# Altium PCB PCB1.PcbDoc (part 4 of 5) (continued)
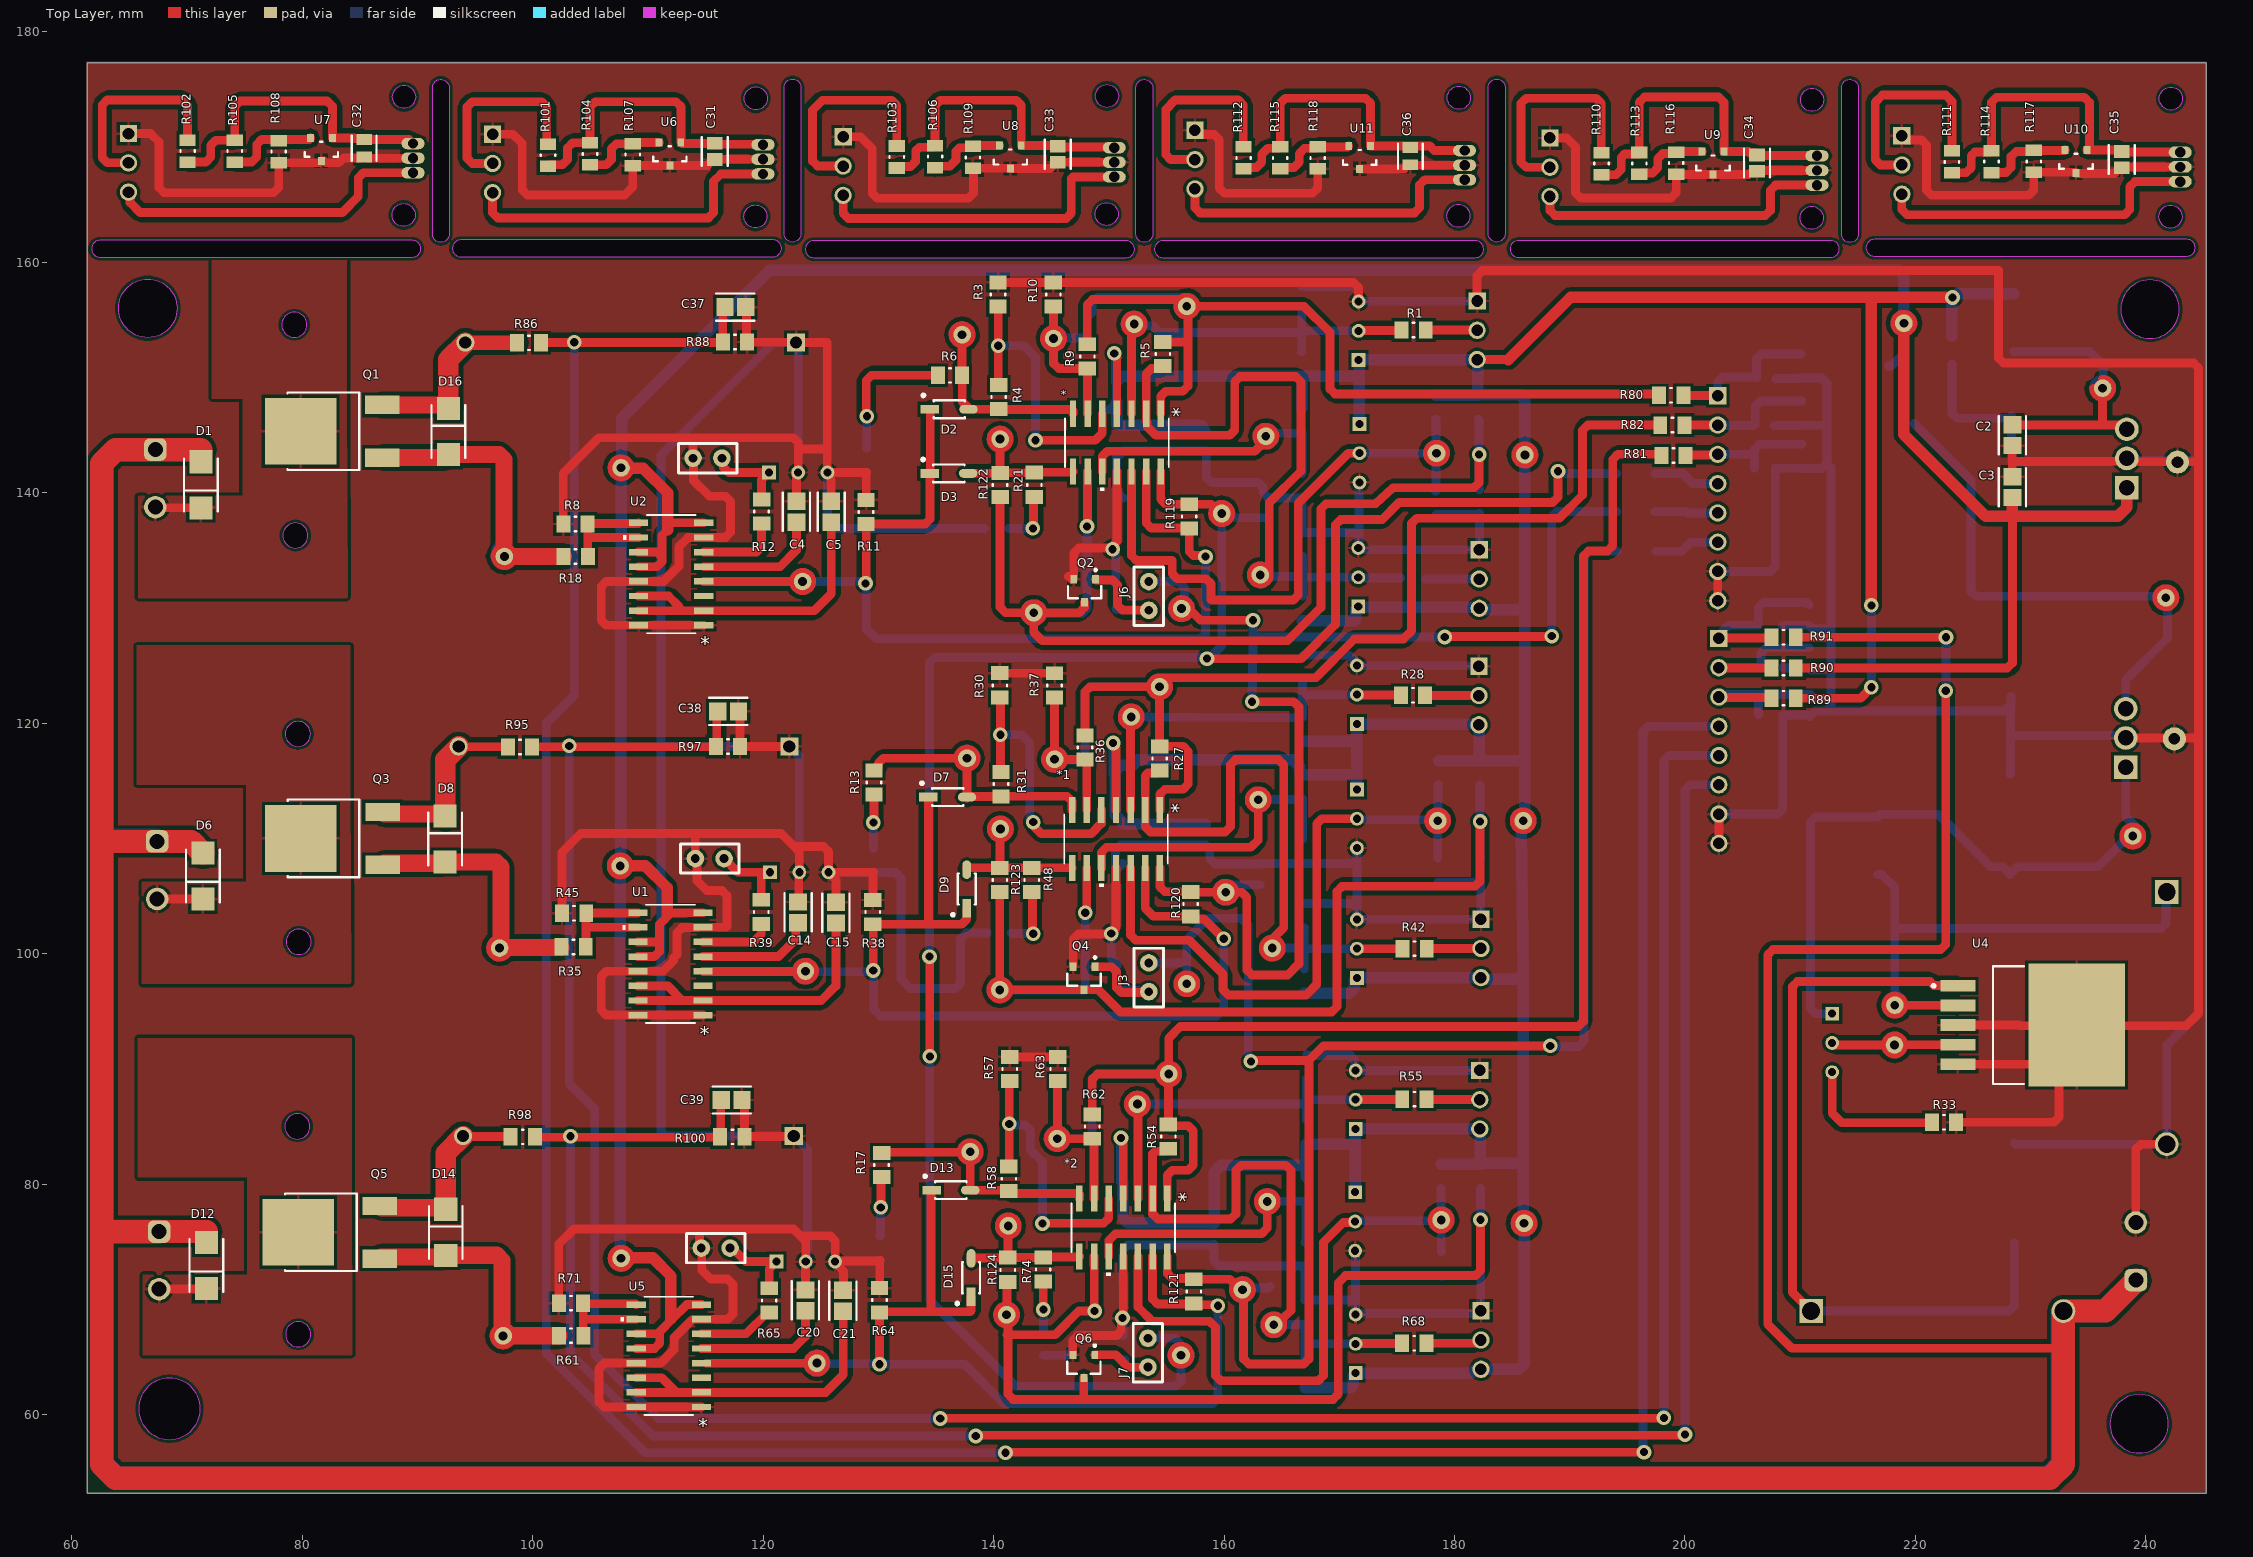
[diagram p0: Top Layer view]
## Nets (pads, with @x,y where several pads share a name; then routed paths per layer and width w, separated by ;. In a path a pad name is that pad's centre, name@x,y a point inside that pad or via, vN(x,y) a via of type N, cw(c..) or ccw(c..) an arc to the next point about the centre after c; other vN are vias at no path point) (continued)
  Bottom Layer w0.762: C13.1@147.93,120.75 147.93,122.718 148.376,123.165 153.622,123.165
Net*1_2: *1.2 R27.1 R42.2 R43.1 R47.1 RP7.2 TP27.1 | length 54.5
  Top Layer w0.762: R27.1@154.407,115.891 154.184,115.669 153.386,115.669 153.162,115.444 *1.2@153.162,112.47 153.162,111.013 153.608,110.566 160.107,110.566 160.553,111.013 160.553,116.394 161,116.84 164.73,116.84 165.176,116.394 165.176,102.259 164.186,101.268 v2(164.186,100.482) ; RP7.2@171.526,100.432 R42.2@175.489,100.432
  Bottom Layer w0.762: 164.971,100.482 166.941,100.482 166.967,100.457 ; R43.1@166.954,98.663 166.967,98.676 166.967,100.457 ; R47.1@166.98,102.251 166.967,102.238 166.967,100.457 ; RP7.2@171.526,100.432 166.992,100.432 166.967,100.457
Net*1_3: *1.3 R28.2 R29.1 R34.2 RP6.2 TP23.1 | length 37.4
  Top Layer w0.254: TP23.1@152.324,120.548 TP23.1@152.375,120.599
  Top Layer w0.762: *1.3@151.892,112.47 TP23.1@151.892,120.548 ; RP6.2@171.526,122.479 171.552,122.453 175.327,122.453 R28.2@175.352,122.428
  Bottom Layer w0.762: TP23.1@151.207,120.548 v2(151.943,120.548) 152.137,120.548 152.149,120.548 152.2,120.599 152.296,120.599 152.479,120.599 TP23.1@152.655,120.599 ; 151.943,121.333 152.264,121.144 152.629,120.929 ; TP23.1@152.137,120.929 152.382,120.593 152.498,120.433 152.424,120.449 152.655,120.218 ; 152.728,120.548 153.684,120.548 161.854,120.472 166.429,120.472 R29.1@166.802,120.548 166.802,122.157 ; R34.2@166.802,123.765 166.802,122.157 ; RP6.2@171.526,122.479 167.124,122.479 166.802,122.157
Net*1_5: *1.5 R30.1 R31.2 | length 24.4
  Top Layer w0.762: R30.1@140.538,122.241 140.589,122.19 v1(140.589,118.999) 140.589,115.808 R31.2@140.64,115.757 ; v1(143.434,111.415) 143.531,111.318 143.531,111.017 144.134,110.414 148.463,110.414 149.352,111.303 *1.5@149.352,112.47
  Bottom Layer w0.762: v1(140.589,118.999) 142.418,118.999 143.129,118.288 143.129,111.72 v1(143.434,111.415)
Net*1_6: *1.6 C13.2 R36.1 R37.1 TP22.1 | length 16.9
  Top Layer w0.762: 145.136,117.636 145.477,117.54 145.819,117.445 ; R37.1@145.136,122.241 145.217,122.16 145.288,122.088 145.288,117.651 ; 146.046,117.073 146.059,116.982 146.073,116.891 ; 146.073,116.856 147.92,116.856 R36.1@147.93,116.847 148.082,116.694 *1.6@148.082,112.47
  Bottom Layer w0.762: v2(145.288,116.865) 145.339,116.815 146.071,116.815 147.483,116.815 147.93,117.261 C13.2@147.93,118.948 ; 145.288,117.65 145.549,117.551 145.81,117.452
Net*1_7: *1.7 D7.2 R13.2 R31.1 TP50.1 | length 23.4
  Top Layer w0.762: R13.2@129.616,115.91 129.767,115.91 129.989,116.132 129.989,116.521 130.436,116.967 136.908,116.967 ; 136.991,116.616 136.949,116.791 136.908,116.967 ; D7.2@137.693,113.589 D7.2@137.693,113.488 ; 138.479,116.967 v2(137.693,116.967) ; R31.1@140.64,113.64 137.693,113.64 137.693,116.181 v2(137.693,116.967) ; R31.1@140.64,113.656 146.366,113.656 146.812,113.209 *1.7@146.812,112.47 ; 136.908,116.967 v2(137.693,116.967)
Net*1_8: *1.8 D9.2 R48.2 R123.1 TP29.1 | length 13.5
  Top Layer w0.762: D9.2@137.668,107.289 137.668,107.451 R123.1@140.538,107.451 ; v1(140.589,110.82) TP29.1@140.564,110.795 ; 141.375,110.82 140.59,110.796 TP29.1@140.564,110.795 ; *1.8@146.812,107.442 146.807,107.447 143.312,107.447 R48.2@143.307,107.451 R123.1@140.538,107.451 ; R123.1@140.538,107.451 140.564,107.477 140.564,110.035 TP29.1@140.564,110.795
  other v2: 140.589,110.82
Net*1_9: *1.9 Q4.3 R46.2 R49.2 R123.2 TP30.1 | length 90
  Top Layer w0.762: 140.538,97.636 R123.2@140.538,105.35 ; 141.324,96.866 149.079,96.866 151,94.945 169.353,94.945 169.799,95.392 169.799,105.395 170.245,105.842 181.773,105.842 182.22,106.288 v1(182.22,111.468) ; v1(147.955,103.556) 147.93,103.302 148.04,103.511 148.082,103.592 *1.9@148.082,107.442
  Bottom Layer w0.762: v2(140.538,96.85) 141.323,96.85 147.853,96.85 147.955,96.952 v1(147.955,103.556) ; R46.2@182.194,114.637 182.22,114.611 v1(182.22,111.468) 182.22,108.324 R49.2@182.245,108.299
Net*1_10: *1.10 R41.2 R50.2 TP28.1 | length 26.3
  Top Layer w0.762: *1.10@149.352,107.442 149.352,108.781 149.798,109.228 162.325,109.228 162.966,109.87 v2(162.966,113.36)
  Bottom Layer w0.762: v2(162.966,113.36) 162.995,113.389 163.751,113.389 166.799,113.389 R41.2@166.814,113.405 ; R50.2@166.802,109.931 166.814,109.944 R41.2@166.814,113.405 ; R41.2@166.827,113.418 R41.2@166.814,113.405
Net*1_12: *1.12 R51.1 R53.1 RP9.2 TP33.1 | length 58.5
  Top Layer w0.762: *1.12@151.892,107.442 151.892,101.615 152.338,101.168 156.972,101.168 159.918,98.222 159.918,96.865 160.365,96.418 167.132,96.418 168.046,97.333 168.046,111.263 168.493,111.709 RP9.2@171.526,111.709
  Bottom Layer w0.762: RP9.2@171.526,111.709 171.61,111.625 177.757,111.625 177.818,111.364 177.88,111.102 ; 178.382,112.301 178.459,112.309 178.537,112.316 ; R53.1@178.537,108.29 178.537,110.746 178.544,111.531 178.552,112.316 R51.1@178.575,114.599 ; 178.575,112.315 R51.1@178.575,114.599 ; R51.1@178.613,114.637 R51.1@178.575,114.599
  other v2: 178.537,111.531
Net*1_13: *1.13 D7.1 D9.1 R38.1 R120.2 TP24.1 U1.4 | length 91.6
  Top Layer w0.762: U1.4@114.789,98.476 114.814,98.45 122.606,98.45 122.631,98.425 ; v1(129.553,98.539) 129.553,102.518 R38.1@129.515,102.556 137.222,102.556 137.668,103.002 D9.1@137.668,103.938 ; 134.341,102.556 D7.1@134.341,113.589 ; *1.13@153.162,107.442 153.162,103.937 153.857,103.242 R120.2@157.25,103.242 ; R120.2@157.099,103.242 157.321,103.019 158.245,103.019 v1(159.969,101.295)
  Bottom Layer w0.762: 122.889,98.425 123.787,98.425 124.456,98.425 124.458,98.425 129.515,98.425 v1@129.591,98.501 ; 123.118,99.031 TP24.1@123.787,98.728 ; v1(129.553,98.539) v1@129.591,98.501 ; v1(159.969,101.295) 159.969,95.188 159.373,94.592 130.187,94.592 129.591,95.188 v1@129.591,98.501
Net*1_14: *1.14 C17.2 D20.1 J6.1 R120.1 TP16.1 TP32.1 | length 109.5
  Top Layer w0.762: J6.1@153.384,132.377 J6.1@153.467,132.294 ; *1.14@154.432,107.442 154.432,105.81 154.878,105.364 157.078,105.364 R120.1@157.099,105.343 157.104,105.339 159.361,105.339 ; v2(156.312,129.946) 156.457,129.801 157.083,129.801 157.954,128.93 v1(162.509,128.93) ; v2(160.147,105.334) 160.528,105.334 160.933,105.334 161.529,105.334 161.976,104.887 161.976,98.592 162.422,98.146 165.532,98.146 166.497,99.111 166.497,121.423 166.051,121.869 v1(162.433,121.869) ; v1(179.146,127.483) 179.184,127.521 188.404,127.521 v1(188.443,127.559)
  Bottom Layer w0.762: J6.1@153.467,132.294 156.043,132.294 156.489,131.848 156.489,131.775 156.555,131.71 156.555,131.079 156.457,130.981 156.457,130.718 ; 160.795,105.776 161.002,105.982 C17.2@163.119,105.982 ; v1(162.433,121.869) 162.509,126.928 162.509,127.483 ; v1(162.509,128.93) 162.509,127.483 ; v1(179.146,127.483) 162.509,127.483 ; v1(188.443,127.559) 188.443,137.933 188.889,138.379 D20.1@194.058,138.379
Net*2_1: *2.1 C19.1 R54.2 R62.2 R81.2 TP36.1 | length 125.7
  Top Layer w0.762: R62.2@148.565,86.039 148.565,89.114 149.011,89.56 154.408,89.56 ; *2.1@155.067,78.74 155.067,80.757 155.513,81.204 156.881,81.204 157.328,81.65 157.328,84.618 156.881,85.065 155.28,85.065 R54.2@155.169,85.176 155.181,85.188 155.181,88.775 ; v2(155.194,89.56) 155.194,90.346 155.194,92.659 156.21,93.675 190.739,93.675 191.186,94.122 191.186,134.504 191.632,134.95 193.279,134.95 193.726,135.397 193.726,142.886 194.172,143.332 197.857,143.332 R81.2@197.958,143.231
  Bottom Layer w0.762: C19.1@148.539,87.908 148.539,89.114 148.986,89.56 154.409,89.56 v2(155.194,89.56)
Net*2_2: *2.2 R54.1 R68.2 R69.1 R73.1 RP11.2 TP42.1 | length 52.4
  Top Layer w0.762: R54.1@155.169,83.074 154.946,82.852 154.021,82.852 153.797,82.628 *2.2@153.797,78.74 153.797,77.416 154.243,76.97 160.59,76.97 161.036,77.416 161.036,81.189 161.482,81.636 165.363,81.636 165.809,81.189 165.809,69.039 165.119,68.348 TP42.1@164.563,68.348 ; RP11.2@171.425,66.142 171.45,66.167 175.428,66.167 R68.2@175.454,66.192
  Bottom Layer w0.762: TP42.1@164.008,67.793 164.028,67.813 164.792,67.813 167.01,67.813 R73.1@167.03,67.834 167.03,66.167 167.538,66.167 167.564,66.142 ; R69.1@167.03,64.449 167.03,66.142 167.564,66.142 ; RP11.2@171.425,66.142 167.564,66.142
  other v2: 164.313,67.793
Net*2_3: *2.3 R55.2 R56.1 R60.2 RP10.2 TP38.1 | length 34.9
  Top Layer w0.762: 152.476,86.159 v2(152.476,86.944) ; *2.3@152.527,78.74 152.527,86.108 ; RP10.2@171.425,87.325 171.45,87.351 175.438,87.351 R55.2@175.463,87.376
  Bottom Layer w0.762: v2(152.476,86.944) 153.261,86.944 166.811,86.944 167.157,87.29 ; R56.1@167.132,85.566 167.157,85.591 167.157,87.29 ; R60.2@167.183,89.154 167.157,89.129 167.157,87.36 167.192,87.325 ; RP10.2@171.425,87.325 167.192,87.325 ; 167.157,87.29 167.192,87.325
Net*2_5: *2.5 R57.1 R58.2 | length 25.7
  Top Layer w0.762: R58.2@141.326,81.518 141.364,81.556 v1(141.364,85.23) 141.364,88.903 R57.1@141.402,88.941 ; v1(144.247,76.581) 144.262,76.597 149.541,76.597 149.987,77.043 *2.5@149.987,78.74
  Bottom Layer w0.762: v1(141.364,85.23) 141.461,85.133 142.733,85.133 143.18,84.686 143.18,82.982 144.247,81.915 v1(144.247,76.581)
Net*2_6: *2.6 C19.2 R62.1 R63.1 TP37.1 | length 16.8
  Top Layer w0.762: 145.542,84.732 145.542,88.916 R63.1@145.567,88.941 ; 146.302,83.942 148.56,83.942 R62.1@148.565,83.938 148.717,83.785 *2.6@148.717,78.74
  Bottom Layer w0.762: v2(145.517,83.947) 145.662,83.801 146.288,83.801 146.434,83.947 148.093,83.947 148.539,84.393 C19.2@148.539,86.106
Net*2_7: *2.7 D13.2 R17.2 R58.1 TP51.1 | length 20.3
  Top Layer w0.762: R17.2@130.277,82.712 130.323,82.758 137.189,82.758 137.927,82.758 v2(137.973,82.804) ; 137.973,82.018 D13.2@137.973,79.477 141.265,79.477 R58.1@141.326,79.416 141.548,79.194 147.345,79.194 147.447,79.092 *2.7@147.447,78.74
Net*2_8: *2.8 D15.2 R74.2 R124.1 TP44.1 | length 12.2
  Top Layer w0.762: D15.2@138.049,73.558 138.049,73.588 141.193,73.588 R124.1@141.224,73.619 R124.1@141.237,73.631 ; v2(141.275,76.378) 141.249,76.352 141.249,75.593 141.249,73.644 R124.1@141.237,73.631 ; *2.8@147.447,73.712 147.413,73.678 144.332,73.678 R74.2@144.297,73.644 144.285,73.631 R124.1@141.237,73.631
Net*2_9: *2.9 Q6.3 R72.2 R75.2 R124.2 TP45.1 | length 86.2
  Top Layer w0.762: v2(141.122,68.656) TP45.1@141.247,68.531 ; 141.173,66.929 145.339,66.929 147.396,68.986 v1(148.768,68.986) ; 141.173,69.44 141.173,71.466 R124.2@141.224,71.517 ; 141.247,67.871 141.247,61.762 141.693,61.316 147.853,61.316 ; 141.247,67.871 141.247,67.881 TP45.1@141.247,68.531 ; 141.678,68.101 TP45.1@141.247,68.531 ; Q6.3@147.828,63.186 147.828,61.341 147.853,61.316 ; *2.9@148.717,73.712 148.717,72.984 148.742,72.958 v1@148.742,69.012 ; v1(182.258,76.911) 182.258,72.506 181.811,72.06 170.536,72.06 169.901,71.425 169.901,61.762 169.454,61.316 147.853,61.316
  Bottom Layer w0.762: v1@148.671,68.889 v1(148.768,68.986) ; R72.2@182.245,79.645 182.258,79.632 v1(182.258,76.911) 182.258,74.19 R75.2@182.27,74.177
Net*2_10: *2.10 R67.2 R76.2 TP43.1 | length 24.9
  Top Layer w0.762: *2.10@149.987,73.712 149.987,75.108 150.579,75.7 163.257,75.7 163.754,76.197 163.754,77.7 v2(163.754,78.486)
  Bottom Layer w0.762: v2(163.754,78.486) 163.774,78.507 164.538,78.507 R67.2@167.111,78.507 ; R76.2@167.03,74.965 167.081,75.016 167.081,78.477 R67.2@167.111,78.507 ; R67.2@167.132,78.527 R67.2@167.111,78.507
Net*2_12: *2.12 R77.1 R79.1 RP13.2 TP48.1 | length 52.3
  Top Layer w0.762: *2.12@152.527,73.712 152.527,69.342 153.772,68.097 158.725,68.097 159.258,67.564 159.258,63.388 159.704,62.941 168.184,62.941 168.631,63.388 168.631,74.955 170.35,76.675 171.295,76.675 RP13.2@171.379,76.759
  Bottom Layer w0.762: RP13.2@171.379,76.759 171.442,76.822 178.059,76.822 ; R77.1@178.816,79.62 178.829,79.607 178.829,77.671 ; v2(178.841,76.886) 178.854,76.873 178.854,76.101 178.854,74.139 R79.1@178.867,74.127
Net*2_13: *2.13 D13.1 D15.1 R64.1 R121.2 TP39.1 U5.4 | length 86.1
  Top Layer w0.762: U5.4@115.094,64.458 123.878,64.458 ; v1(130.099,64.364) R64.1@130.099,68.875 ; R64.1@130.251,68.926 134.417,68.926 ; D13.1@134.57,79.477 134.57,69.079 134.417,68.926 ; D15.1@138.049,70.206 138.049,69.017 137.958,68.926 134.417,68.926 ; *2.13@153.797,73.712 153.797,70.033 154.243,69.587 157.378,69.587 157.424,69.541 159.364,69.541 v1(159.461,69.444)
  Bottom Layer w0.762: 125.442,64.414 125.446,64.414 125.448,64.414 v1@130.048,64.414 ; v1(130.099,64.364) 137.49,64.364 140.894,60.96 159.015,60.96 159.461,61.406 v1(159.461,69.444)
  other v2: 124.663,64.465
Net*2_14: *2.14 C23.2 D21.1 J3.1 R121.1 TP31.1 TP47.1 | length 147.1
  Top Layer w0.762: *2.14@155.067,73.712 155.067,72.252 155.513,71.806 157.378,71.806 R121.1@157.436,71.748 ; R121.1@157.378,71.748 160.5,71.748 160.946,71.302 160.946,71.283 161.389,70.841 v2(161.595,70.841) 161.696,70.739 161.696,70.082 161.696,70.062 ; 161.696,70.055 161.696,64.835 162.143,64.389 166.914,64.389 167.361,64.835 167.361,90.729 ; v1(162.331,90.653) 162.408,90.729 167.361,90.729 ; v1(188.316,91.999) 168.631,91.999 167.361,90.729
  Bottom Layer w0.762: J3.1@153.467,99.198 156.627,99.198 156.769,99.339 ; 156.769,98.169 156.769,99.339 ; v1@162.103,91.24 162.103,102.477 161.507,103.073 158.638,103.073 156.769,101.204 156.769,99.339 ; 162.366,70.986 163.861,70.986 C23.2@164.008,71.134 ; v1(188.316,91.999) 188.366,91.948 190.79,91.948 191.237,92.394 191.237,134.478 191.683,134.925 D21.1@194.109,134.925
  other v2: 156.769,97.384
Net*3_1: *.1 C1.1 R5.2 R9.2 R80.2 TP9.1 | length 81.3
  Top Layer w0.762: R9.2@148.133,152.892 148.133,156.322 148.579,156.769 156.244,156.769 ; *.1@154.508,146.862 154.508,148.372 154.955,148.819 156.424,148.819 156.87,149.265 156.87,155.406 ; R5.2@154.686,153.095 156.805,153.095 ; 156.769,155.399 156.769,155.406 TP9.1@156.769,155.804 ; v2(156.769,156.185) 157.554,156.185 166.929,156.185 169.189,153.924 169.189,149.011 169.636,148.565 R80.2@197.774,148.565
  Bottom Layer w0.762: C1.1@148.158,155.282 148.182,155.282 148.554,155.653 148.554,156.509 149,156.956 156.623,156.956
Net*3_2: *.2 R5.1 R15.2 R16.1 R20.1 RP2.2 TP13.1 | length 59.2
  Top Layer w0.762: R5.1@154.686,150.994 154.464,150.771 153.685,150.771 153.238,150.325 153.238,146.21 153.34,146.108 153.34,145.718 154.075,144.983 160.488,144.983 160.934,145.43 160.934,149.642 161.381,150.089 166.228,150.089 166.675,149.642 166.675,141.884 163.93,139.139 163.93,133.009 163.93,132.885 163.93,132.867 163.917,132.867 163.525,132.867 v2(163.144,132.867) ; RP2.2@171.648,132.664 RP2.2@171.712,132.601
  Bottom Layer w0.762: v2(163.144,132.867) 163.929,132.867 164.061,132.736 166.802,132.736 ; R16.1@166.802,131.013 166.802,132.736 ; R20.1@166.802,134.458 166.802,132.736 ; RP2.2@171.648,132.664 166.873,132.664 166.802,132.736 ; RP2.2@171.712,132.601 R15.2@175.314,132.601
Net*3_3: 
Net*3_5: 
Net*3_6: 
Net*3_7: 
Net*3_8: 
Net*3_9: 
Net*3_10: 
Net*3_12: 
Net*3_13: 
Net*3_14: *.14 C9.2 D19.1 J7.1 R119.1 TP17.1 TP46.1 | length 182.8
  Top Layer w0.762: v1(134.442,99.746) 134.455,99.733 134.455,91.097 v1(134.468,91.084) ; *.14@154.508,141.834 154.508,139.445 154.955,138.998 R119.1@156.972,138.998 158.869,138.998 159.177,138.691 ; v1(158.521,125.603) 166.7,125.603 169.672,128.575 169.672,137.222 170.118,137.668 173.711,137.668 175.206,139.163 188.53,139.163 188.976,139.609 v1(188.976,141.859)
  Bottom Layer w0.762: v1(134.442,99.746) 134.442,125.258 134.889,125.705 158.761,125.705 159.791,126.735 159.791,137.416 v2(159.791,138.201) ; v1(134.468,91.084) 134.468,69.926 141.935,62.459 155.814,62.459 156.261,62.905 156.261,64.366 v2(156.261,65.151) ; J7.1@153.391,66.624 155.738,66.624 156.115,66.247 156.115,65.922 ; 160.576,138.201 160.955,137.822 C9.2@163.805,137.822 ; v1(188.976,141.859) 189.113,141.859 189.291,141.681 D19.1@194.058,141.681
Net*4_3: 
Net*4_5: 
Net*4_6: 
Net*4_7: 
Net*4_8: 
Net*4_9: 
Net*4_10: 
Net*4_12: 
Net*4_13: 
Net*5_3: 
Net*5_5: 
Net*5_6: 
Net*5_7: 
Net*5_8: 
Net*5_9: 
Net*5_10: 
Net*5_12: 
Net*5_13: 
Net*_3: *.3 R1.2 R2.1 R7.2 RP1.2 TP10.1 | length 35.5
  Top Layer w0.762: TP10.1@151.867,154.866 152.121,154.612 152.121,153.856 ; *.3@151.968,146.862 151.968,153.621 152.197,153.85 ; RP1.2@171.679,154.051 171.717,154.089 175.365,154.089 R1.2@175.403,154.127
  Bottom Layer w0.762: v2(152.197,154.635) 152.343,154.489 152.968,154.489 152.982,154.489 153.813,154.489 154.404,153.899 166.751,153.899 R7.2@166.751,155.81 ; R2.1@166.726,152.232 166.738,152.244 166.738,154.021 166.768,154.051 RP1.2@171.679,154.051
Net*_5: *.5 R3.1 R4.2 | length 25.4
  Top Layer w0.762: R3.1@140.386,156.15 140.411,156.124 v1(140.411,152.756) 140.411,149.387 R4.2@140.437,149.361 ; v1(143.637,144.551) 148.819,144.551 149.428,145.161 *.5@149.428,146.862
  Bottom Layer w0.762: v1(140.411,152.756) 142.646,152.756 143.637,151.765 v1(143.637,144.551)
Net*_6: *.6 C1.2 R9.1 R10.1 TP8.1 | length 23.6
  Top Layer w0.762: R10.1@145.186,156.15 R10.1@145.194,156.142 ; TP8.1@145.202,153.567 R10.1@145.194,156.142 ; R9.1@148.133,150.79 R9.1@148.145,150.778 ; *.6@148.158,146.862 148.158,147.603 148.145,147.616 R9.1@148.145,150.778 ; TP8.1@145.194,153.569 R10.1@145.194,156.142 ; TP8.1@145.194,153.569 R10.1@145.194,156.142 ; TP8.1@145.194,153.569 145.194,153.398 TP8.1@145.202,153.39 145.202,152.605 ; 145.202,151.224 145.202,152.605 ; 145.202,151.224 145.202,152.605 ; 145.202,151.224 145.649,150.778 148.133,150.778 R9.1@148.145,150.778
  Bottom Layer w0.762: TP8.1@145.202,153.39 145.247,153.435 145.986,153.435 ; C1.2@148.158,153.48 C1.2@148.113,153.435 ; 145.986,153.435 C1.2@148.113,153.435 ; 145.986,153.435 C1.2@148.113,153.435
Net*_7: *.7 D2.2 R4.1 R6.2 TP49.1 | length 15.7
  Top Layer w0.762: 137.266,152.935 137.266,150.195 R6.2@137.271,150.19 137.271,147.907 137.787,147.391 D2.2@137.787,147.252 ; D2.2@137.779,147.244 D2.2@137.787,147.252 ; 137.974,153.389 138.01,153.555 138.047,153.721 ; *.7@146.888,146.862 146.888,147.112 146.786,147.214 140.482,147.214 R4.1@140.437,147.26 140.429,147.252 D2.2@137.787,147.252
  other v2: 137.262,153.721
Net*_8: *.8 D3.2 R21.2 R122.1 TP15.1 | length 11.8
  Top Layer w0.762: D3.2@137.754,141.681 137.771,141.699 140.546,141.699 R122.1@140.564,141.716 ; 140.564,143.867 140.564,141.741 R122.1@140.564,141.716 ; 141.243,144.258 141.296,144.455 141.349,144.653 ; *.8@146.888,141.834 146.842,141.788 143.582,141.788 R21.2@143.535,141.741 143.523,141.729 140.576,141.729 R122.1@140.564,141.716
  other v2: 140.564,144.653
Net*_9: *.9 Q2.3 R19.2 R22.2 R122.2 TP3.1 | length 96.8
  Top Layer w0.762: R122.2@140.564,139.614 140.564,130.063 141.035,129.591 142.699,129.591 ; TP3.1@142.839,129.29 v2(143.485,129.591) 143.785,128.865 ; 142.979,128.99 TP3.1@143.409,128.888 ; TP3.1@143.485,129.21 143.485,128.865 143.485,128.805 143.485,127.904 144.236,127.152 165.506,127.152 168.402,130.048 168.402,138.593 168.848,139.04 172.822,139.04 173.134,139.04 174.65,140.437 181.684,140.437 182.131,140.883 v1(182.131,143.32) ; 144.27,129.591 147.432,129.591 147.879,130.037 147.879,130.47 Q2.3@147.904,130.496 ; v1(148.107,137.084) 148.158,137.135 *.9@148.158,141.834
  Bottom Layer w0.762: 144.266,129.515 147.661,129.515 ; 144.27,129.591 147.661,129.515 ; v1(148.107,137.084) 148.107,129.961 147.661,129.515 ; R19.2@182.093,146.345 182.131,146.307 v1(182.131,143.32) 182.131,140.332 R22.2@182.169,140.294
Net*_10: *.10 R14.2 R23.2 TP14.1 | length 22.6
  Top Layer w0.762: *.10@149.428,141.834 149.428,143.158 149.875,143.604 162.65,143.604 163.097,144.051 TP14.1@163.097,144.555
  Bottom Layer w0.762: TP14.1@163.652,145.11 163.698,145.156 164.436,145.156 166.705,145.156 R14.2@166.751,145.202 166.764,145.19 166.764,143.421 166.764,141.653 R23.2@166.776,141.64
  other v2: 163.627,144.907
Net*_12: *.12 R24.1 R26.1 RP4.2 TP6.1 | length 57.3
  Top Layer w0.762: *.12@151.968,141.834 151.968,134.558 152.415,134.112 155.499,134.112 155.499,132.984 155.945,132.537 158.431,132.537 158.877,132.091 158.877,130.734 158.928,130.683 166,130.683 166.446,131.129 166.446,139.09 170.79,143.434 RP4.2@171.755,143.434
  Bottom Layer w0.762: 177.65,143.446 RP4.2@171.755,143.434 177.65,143.434 177.689,143.263 177.729,143.092 ; R26.1@178.359,140.141 178.397,140.179 178.397,142.65 ; R24.1@178.359,146.387 178.397,146.349 178.397,144.218 ; 179.104,143.844 179.162,143.639 179.22,143.434
  other v2: 178.435,143.434
Net*_13: *.13 D2.1 D3.1 R11.1 R119.2 TP12.1 U2.4 | length 95.3
  Top Layer w0.762: U2.4@114.84,132.309 U2.4@114.852,132.296 ; 122.641,132.309 U2.4@114.852,132.296 ; TP12.1@123.655,132.296 123.44,132.296 TP12.1@123.426,132.296 122.64,132.296 U2.4@114.852,132.296 ; v1@128.943,132.398 128.943,137.265 R11.1@128.93,137.278 134.037,137.278 134.484,137.724 134.484,141.681 134.496,141.694 134.496,147.231 D2.1@134.509,147.244 ; *.13@153.238,141.834 153.238,137.378 153.685,136.931 156.937,136.931 R119.2@156.972,136.897 156.972,134.904 157.321,134.554 158.297,134.554 v1(158.394,134.457) v1@158.394,134.595
  Bottom Layer w0.762: TP12.1@123.426,132.296 124.211,132.296 128.867,132.296 128.956,132.385 128.956,128.194 129.819,127.33 157.948,127.33 158.394,127.777 v1(158.394,134.457)
  other v1: 128.88,132.131
NetC2_1: C2.1 L1.1 RG1.3 TP1.1 | length 23.9
  Top Layer w0.762: C2.1@228.422,145.898 228.448,145.872 236.296,145.872 ; TP1.1@236.245,149.073 236.245,148.287 236.245,145.923 236.296,145.872 ; RG1.3@238.354,145.517 237.998,145.872 236.296,145.872
  Bottom Layer w0.762: L1.1@228.549,152.262 235.124,152.262 236.304,151.082 236.304,149.856 237.03,149.13 237.03,149.073
NetC4_2: C4.2 U2.5 | length 11.1
  Top Layer w0.762: U2.5@114.84,133.579 121.463,133.579 122.885,135.001 C4.2@122.885,137.453
NetC5_1: C5.1 U2.2 U2.14 U2.15 | length 27.8
  Top Layer w0.762: U2.15@109.188,129.769 112.725,129.769 ; U2.14@109.188,131.039 111.785,131.039 112.725,130.099 112.725,129.769 ; C5.1@125.908,137.453 125.908,131.242 124.435,129.769 U2.2@114.84,129.769 112.725,129.769
NetC7_1: C7.1 L2.1 TP5.1 U3.3 | length 45.2
  Bottom Layer w0.762: L2.1@219.903,146.003 224.815,141.09 224.815,131.466 225.262,131.02 C7.1@228.295,131.02 240.958,131.02 ; U3.3@238.252,121.26 238.252,123.774 241.878,127.4 241.878,130.115 241.878,130.436 241.542,130.772 TP5.1@241.293,131.02 ; TP5.1@241.741,130.971 242.517,130.886
NetC11_1: C11.1 L3.2 RP5.1 TP4.1 U3.1 | length 56.2
  Bottom Layer w0.762: RP5.1@212.776,94.793 211.343,94.793 210.896,95.239 210.896,111.426 211.343,111.872 L3.2@216.738,111.872 216.956,112.09 221.971,112.09 226.522,107.538 227.6,107.538 228.219,106.919 C11.1@228.219,106.87 228.219,106.925 228.838,107.544 235.839,107.544 238.158,109.863 ; 238.077,110.211 TP4.1@238.643,110.562 ; U3.1@238.252,116.185 238.252,111.872 239.21,110.914 TP4.1@238.75,110.455
NetC12_1: C12.1 CR2.1 U4.1 | length 66.8
  Top Layer w0.762: CR2.1@210.947,68.986 209.321,70.612 209.321,97.139 209.768,97.585 221.261,97.585 221.602,97.244 223.652,97.244 U4.1@223.69,97.206
  Bottom Layer w0.762: CR2.1@210.947,68.986 228.128,68.986 228.575,69.433 C12.1@228.575,74.879
NetC14_2: C14.2 U1.5 | length 10.2
  Top Layer w0.762: U1.5@114.789,99.746 121.323,99.746 122.836,101.259 122.836,102.479 C14.2@123.038,102.68
NetC15_1: C15.1 U1.2 U1.14 U1.15 | length 27.5
  Top Layer w0.762: U1.15@109.137,95.936 113.005,95.936 ; U1.14@109.137,97.206 111.735,97.206 113.005,95.936 ; C15.1@126.314,102.655 126.314,97.206 125.044,95.936 U1.2@114.789,95.936 113.005,95.936
NetC20_2: C20.2 U5.5 | length 11.7
  Top Layer w0.762: U5.5@114.643,65.735 122.631,65.735 123.673,66.777 C20.2@123.673,69.014
NetC21_1: C21.1 U5.2 U5.14 U5.15 | length 28.1
  Top Layer w0.762: U5.15@108.991,61.925 112.471,61.925 ; U5.14@108.991,63.195 111.201,63.195 112.471,61.925 ; C21.1@126.924,68.975 126.949,68.949 126.949,63.449 125.425,61.925 U5.2@114.643,61.925 112.471,61.925
NetC25_2: C25.2 P7.1 R80.1 R83.1 | length 13.4
  Top Layer w0.762: R80.1@199.857,148.463 199.882,148.438 202.819,148.438 P7.1@202.844,148.412
  Bottom Layer w0.762: P7.1@202.844,148.412 202.844,149.591 203.291,150.038 206.133,150.038 206.197,149.973 206.197,151.607 206.644,152.054 R83.1@210.058,152.054
NetC26_2: C26.2 P7.2 R82.1 R84.1 | length 12.1
  Top Layer w0.762: R82.1@199.958,145.872 P7.2@202.844,145.872 P7.2@202.781,145.809
  Bottom Layer w0.762: P7.2@202.844,145.872 202.87,145.847 205.92,145.847 C26.2@205.945,145.821 206.096,145.972 206.096,147.518 206.542,147.964 R84.1@210.109,147.964
NetC27_2: C27.2 P7.3 R81.1 R85.1 | length 13
  Top Layer w0.762: R81.1@200.06,143.231 200.111,143.281 202.794,143.281 P7.3@202.844,143.332
  Bottom Layer w0.762: P7.3@202.844,143.332 205.765,143.332 206.033,143.065 C27.2@206.033,142.138 206.033,142.709 206.033,143.332 206.033,143.759 206.479,144.205 R85.1@210.16,144.205
NetC28_2: C28.2 P8.3 R89.1 R92.1 | length 14.5
  Top Layer w0.762: P8.3@202.941,122.276 202.992,122.225 207.458,122.225 R89.1@207.509,122.174
  Bottom Layer w0.762: P8.3@202.941,122.276 203.082,122.417 203.604,122.417 203.678,122.491 206.451,122.491 ; R92.1@206.442,120.777 R92.1@206.391,120.726 206.391,122.43 206.451,122.491 ; C28.2@210.896,122.491 206.451,122.491
NetC29_2: C29.2 P8.2 R90.1 R93.1 | length 13.8
  Top Layer w0.762: P8.2@202.967,124.841 P8.2@202.941,124.816 202.954,124.803 207.496,124.803 R90.1@207.509,124.79
  Bottom Layer w0.762: P8.2@202.941,124.816 202.954,124.828 206.404,124.828 R93.1@206.416,124.841 206.599,125.024 206.599,126.108 207.045,126.555 C29.2@210.795,126.555
NetC30_2: C30.2 P8.1 R91.1 R94.1 | length 14.9
  Top Layer w0.762: P8.1@202.941,127.356 202.992,127.406 207.458,127.406 R91.1@207.509,127.457
  Bottom Layer w0.762: P8.1@202.941,127.356 203.302,127.716 203.302,128.052 203.748,128.499 R94.1@206.366,128.499 206.366,130.033 206.812,130.48 210.603,130.48 C30.2@210.795,130.288
NetC31_2: C31.2 HS1.1 R101.1 R104.1 U6.1 | length 26.8
  Top Layer w0.762: R101.1@101.321,168.34 101.443,168.462 102.576,168.462 103.022,168.909 103.022,169.922 103.469,170.369 R104.1@104.978,170.369 104.978,173.493 105.425,173.939 112.431,173.939 112.878,173.493 112.878,170.434 112.99,170.322 C31.2@115.799,170.322 115.87,170.251 119.944,170.251 HS1.1@119.99,170.205
NetC32_2: C32.2 HS2.1 R102.1 R105.1 U7.1 | length 27.2
  Top Layer w0.762: R102.1@70.053,168.696 71.613,168.696 72.06,169.142 72.06,170.151 72.506,170.597 R105.1@74.143,170.597 74.143,173.544 74.589,173.99 82.18,173.99 82.626,173.544 82.626,170.814 U7.1@82.611,170.799 84.522,170.799 84.576,170.745 85.275,170.745 C32.2@85.369,170.651 89.268,170.651 HS2.1@89.611,170.307
NetC33_2: C33.2 HS3.1 R103.1 R106.1 U8.1 | length 27.6
  Top Layer w0.762: R103.1@131.597,168.188 131.72,168.31 132.802,168.31 133.248,168.756 133.248,169.668 133.573,169.993 134.803,169.993 R106.1@134.925,170.115 134.925,173.62 135.371,174.066 141.956,174.066 142.403,173.62 U8.1@142.403,170.139 145.381,170.139 145.442,170.078 C33.2@145.567,170.078 145.649,169.997 150.424,169.997 HS3.1@150.47,169.951
NetC34_2: C34.2 HS4.1 R110.1 R113.1 U9.1 | length 29.3
  Top Layer w0.762: R110.1@192.761,167.604 194.016,167.604 194.462,168.05 194.462,169.084 194.787,169.408 195.915,169.408 R113.1@196.037,169.531 196.037,173.899 196.484,174.346 202.931,174.346 203.378,173.899 U9.1@203.378,169.621 205.505,169.621 205.648,169.477 206.077,169.477 C34.2@206.248,169.306 206.281,169.273 211.422,169.273 HS4.1@211.455,169.24
NetC35_2: C35.2 HS5.1 R111.1 R114.1 U10.1 | length 30.3
  Top Layer w0.762: R111.1@223.164,167.767 224.394,167.767 224.841,168.213 224.841,169.237 225.165,169.561 226.471,169.561 R114.1@226.593,169.683 226.593,173.874 227.04,174.32 234.656,174.32 235.102,173.874 235.102,169.976 U10.1@234.884,169.758 237.75,169.758 C35.2@237.896,169.611 237.929,169.578 242.944,169.578 HS5.1@242.976,169.545
NetC36_2: C36.2 HS6.1 R112.1 R115.1 U11.1 | length 28.4
  Top Layer w0.762: R112.1@161.696,168.112 161.819,168.234 162.825,168.234 163.271,168.68 163.271,169.378 163.784,169.891 164.749,169.891 R115.1@164.871,170.013 164.871,173.798 165.318,174.244 172.274,174.244 172.72,173.798 U11.1@172.72,170.104 177.846,170.104 178.253,169.697 HS6.1@180.873,169.697
NetC37_2: C37.2 P8.4 R86.1 R88.1 | length 275.8
  Top Layer w0.762: R86.1@100.768,153.048 116.462,153.048 R88.1@116.5,153.086 116.5,155.921 C37.2@116.688,156.108 ; v1(141.036,56.693) 141.074,56.731 196.431,56.731 v1(196.444,56.744)
  Bottom Layer w0.762: v1(103.607,153.06) 103.607,122.428 101.168,119.99 101.168,65.303 109.779,56.693 v1(141.036,56.693) ; v1(196.444,56.744) 196.367,56.82 196.367,119.289 196.814,119.736 P8.4@202.941,119.736